# Altium PCB PCB1.PcbDoc (part 1 of 5) (continued)
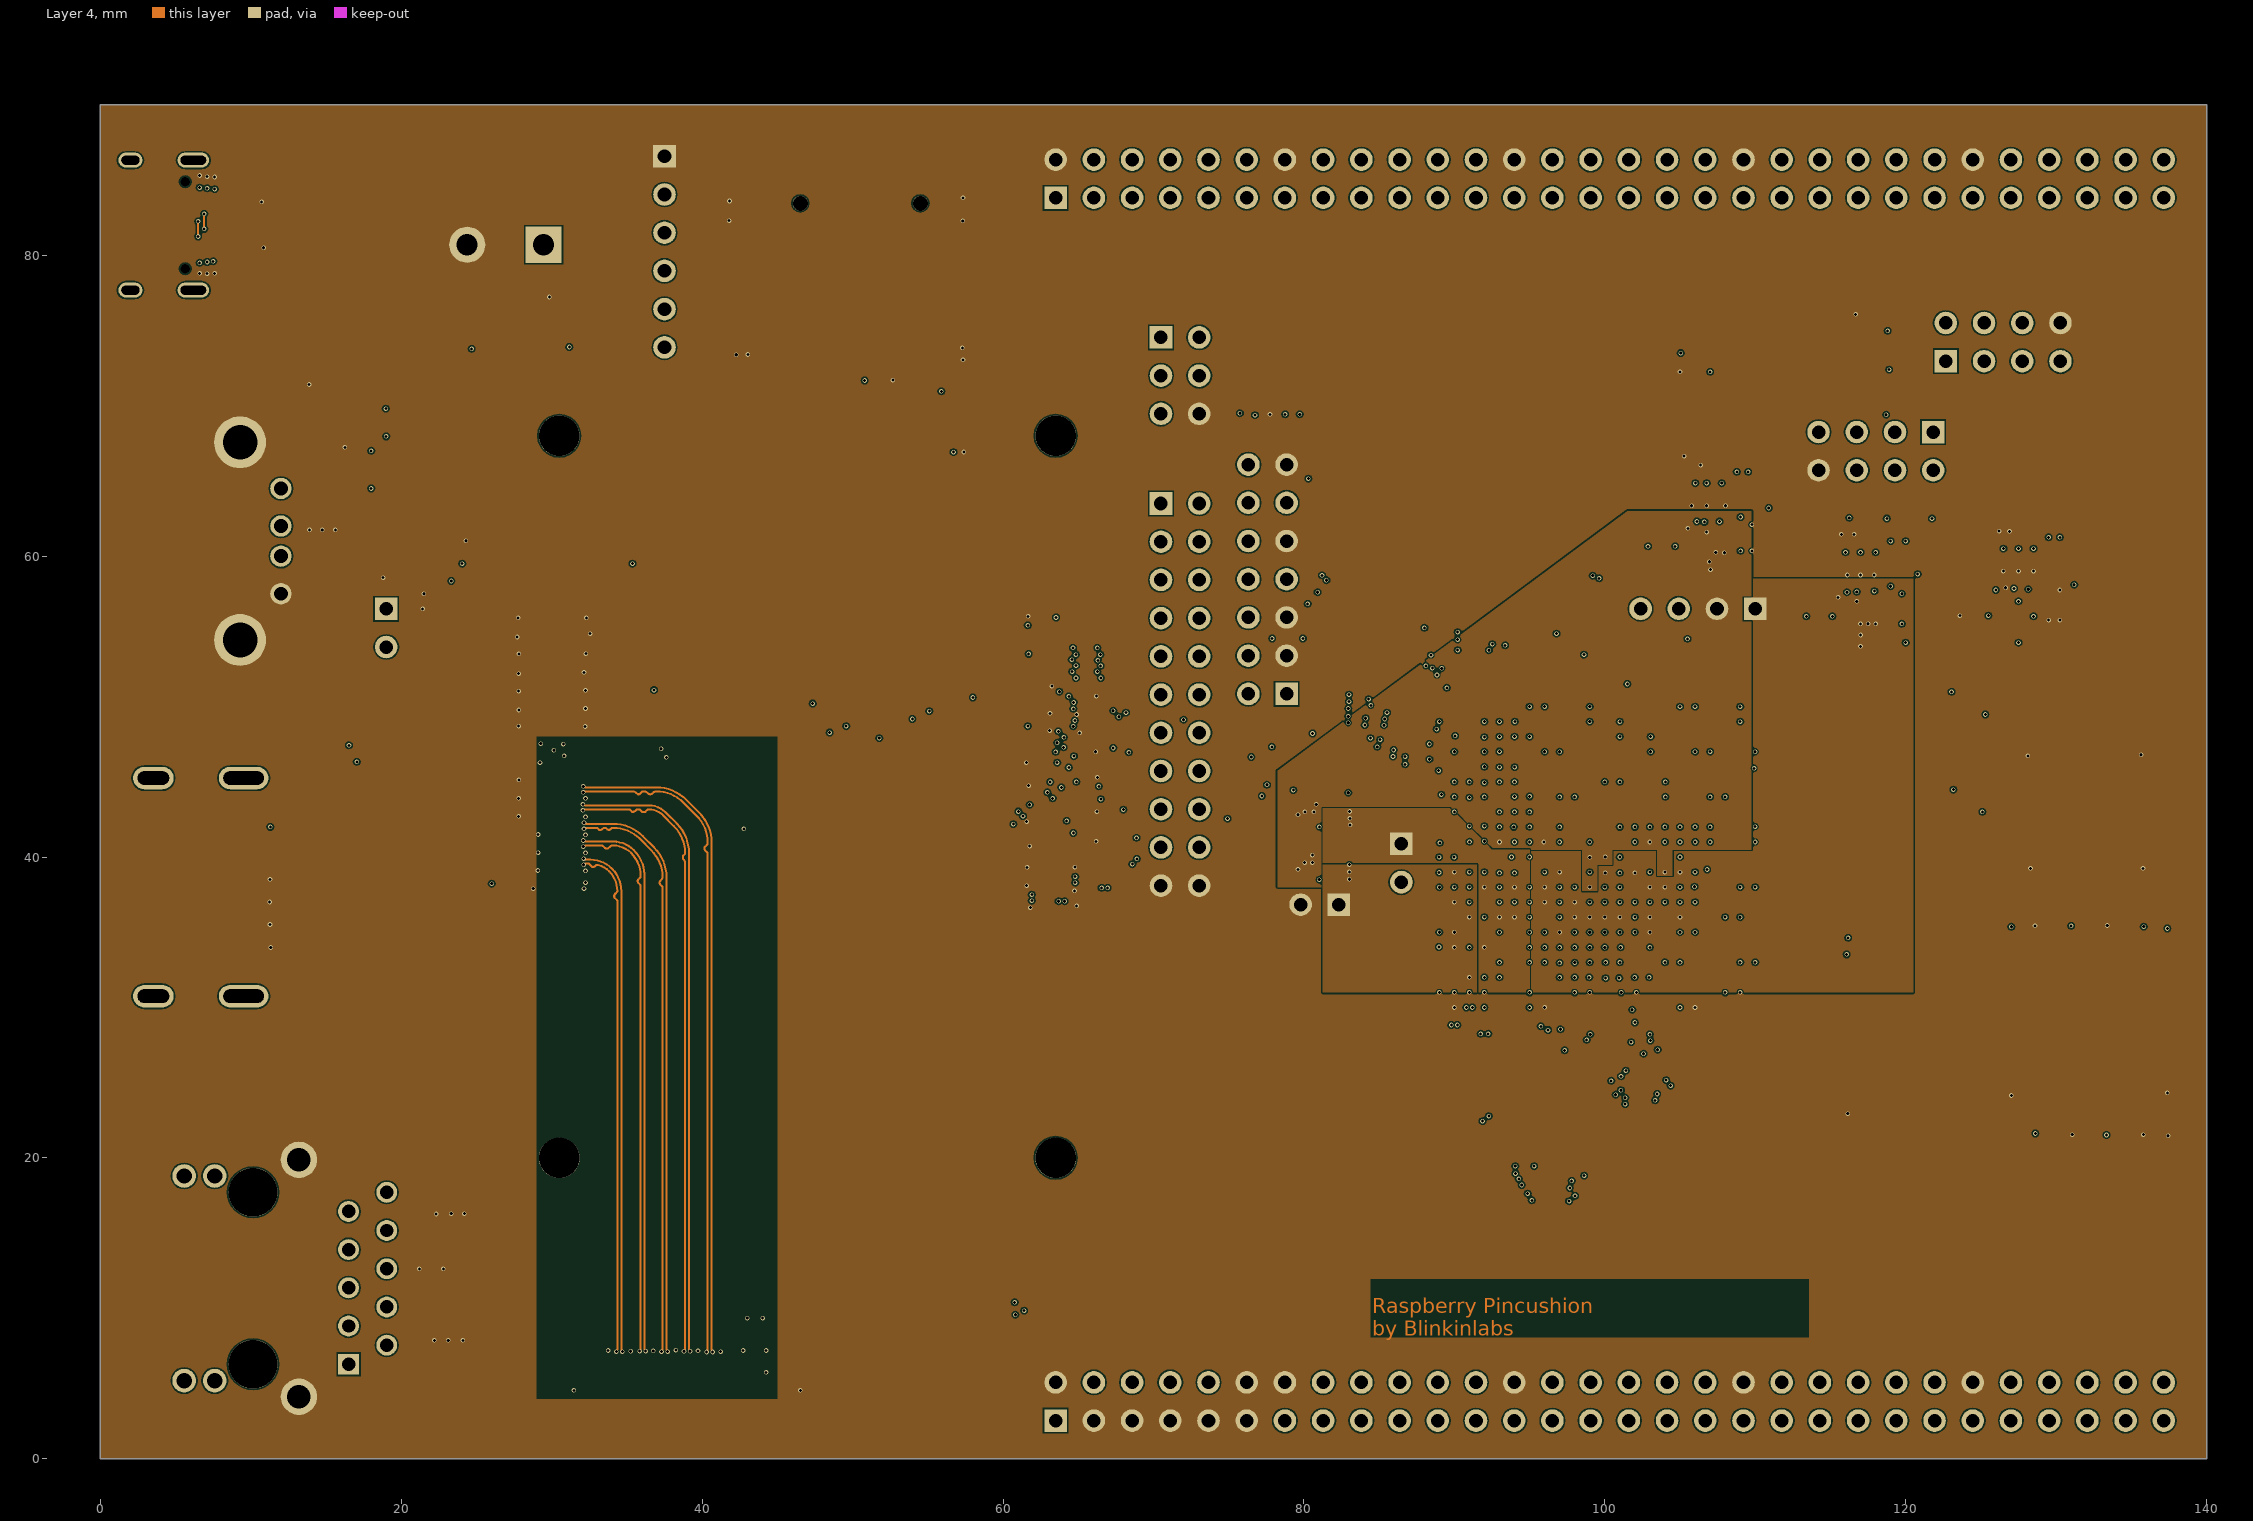
[diagram p4: Layer 4]
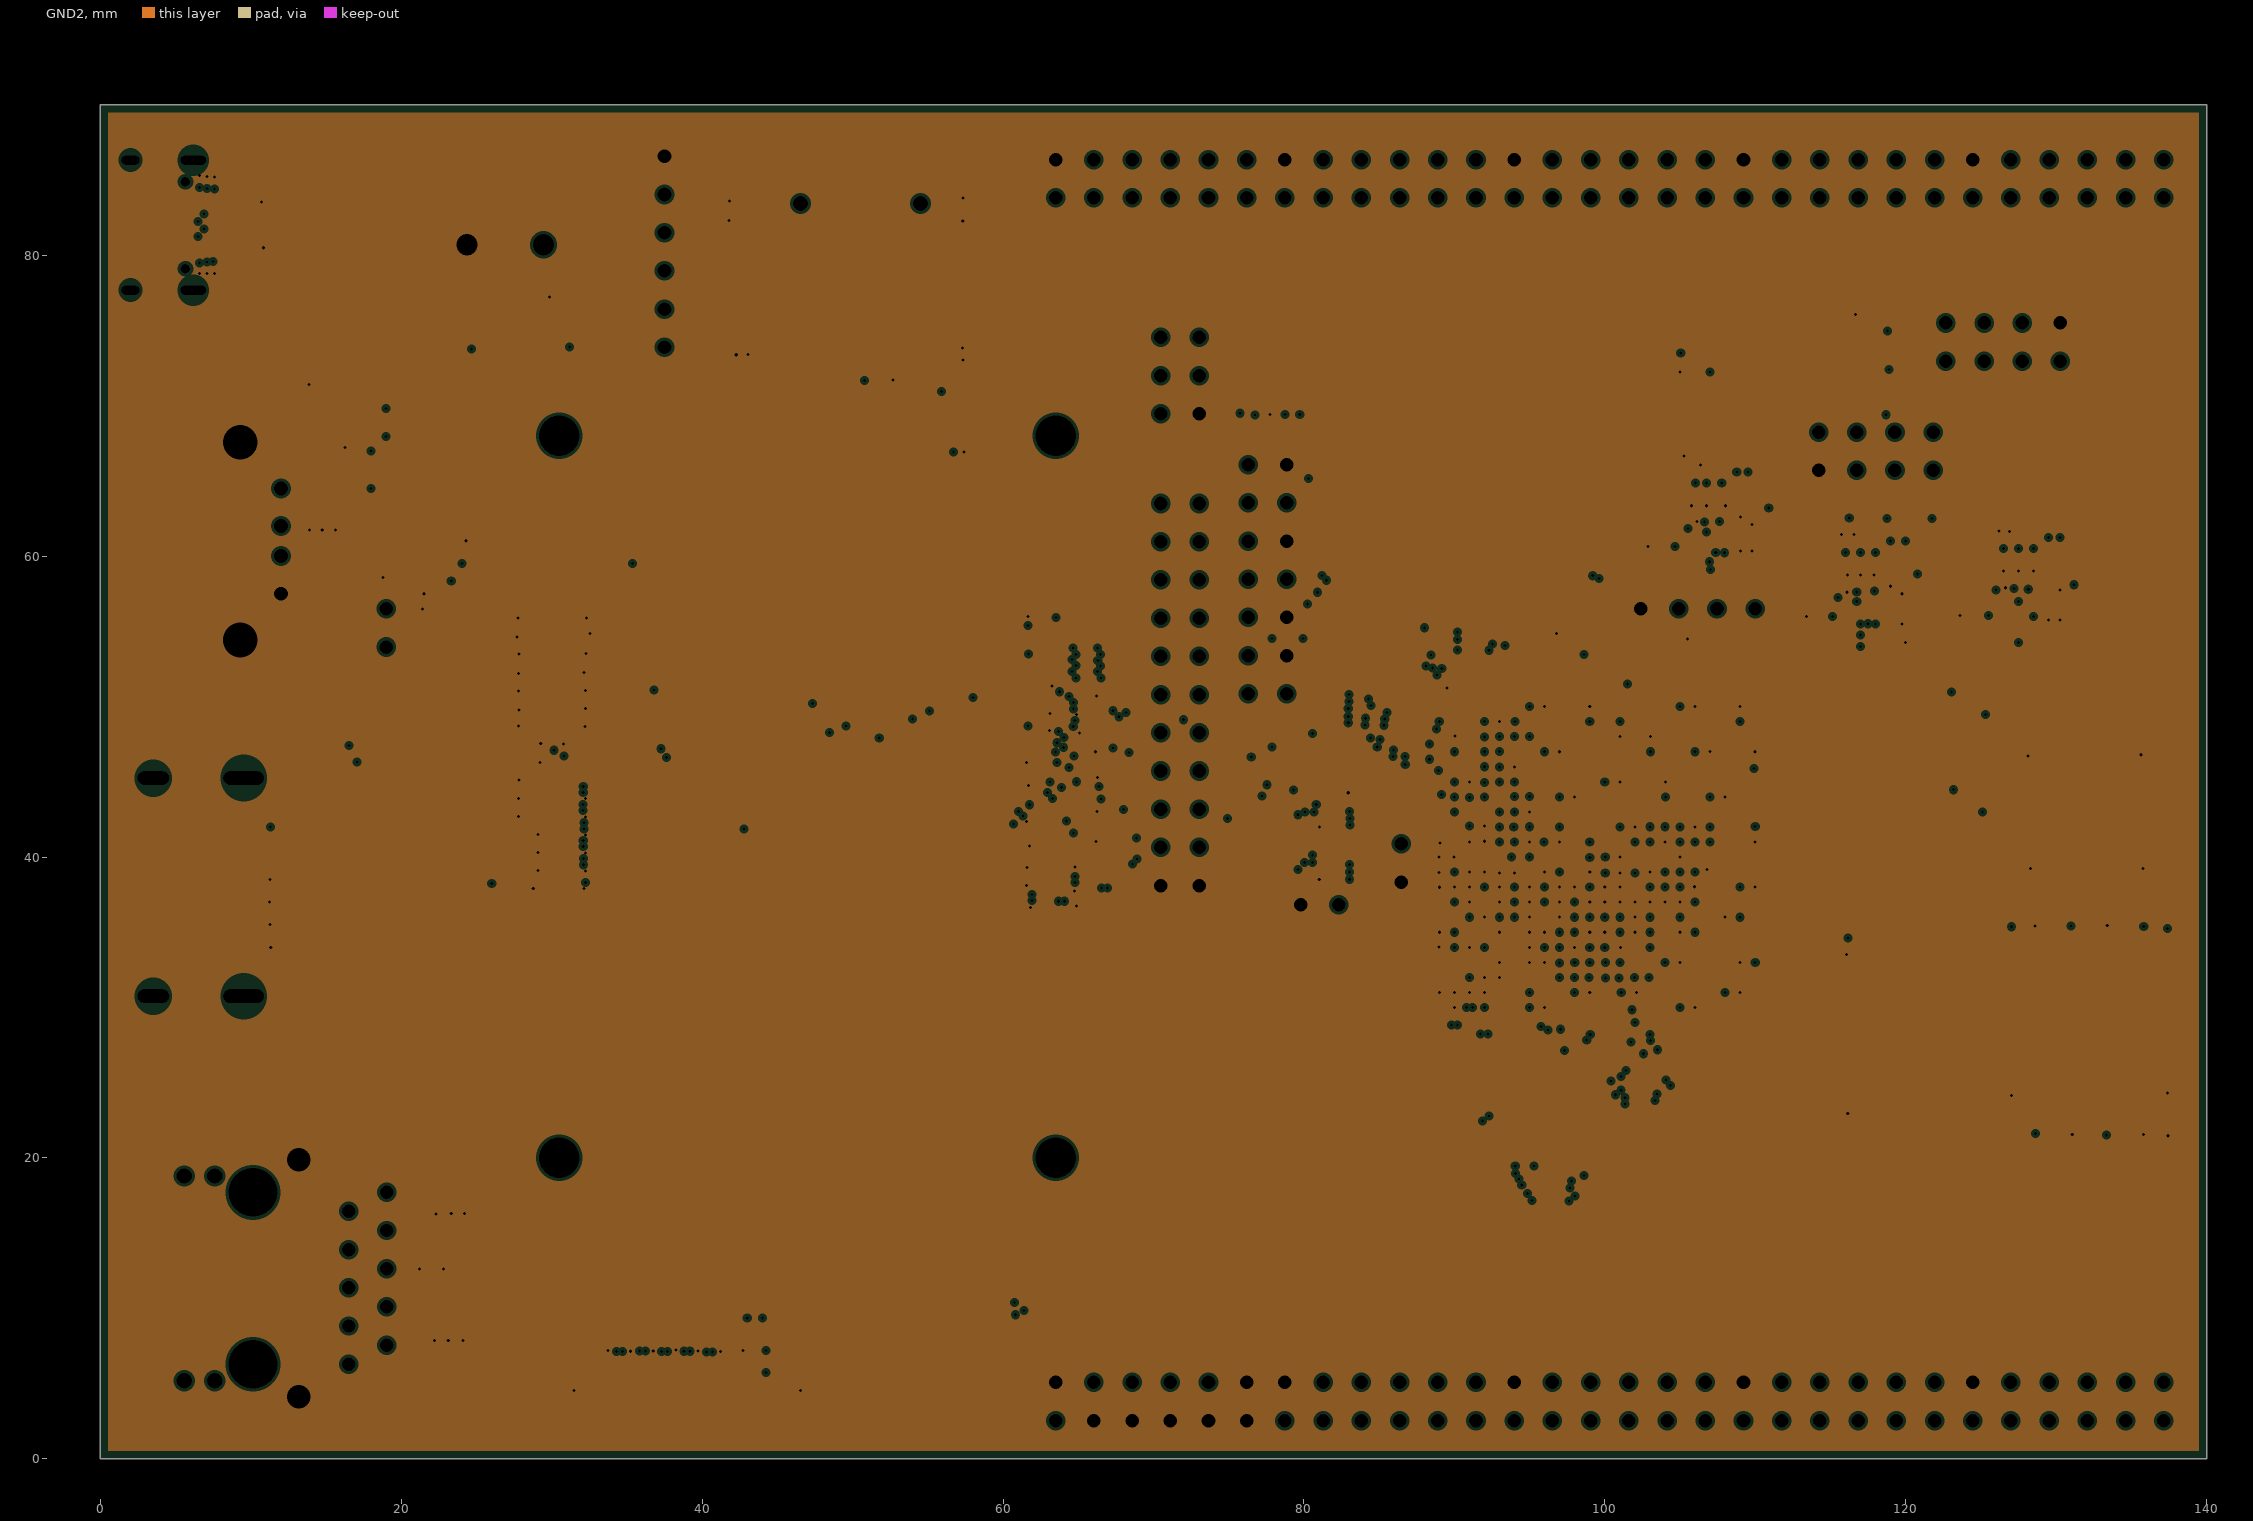
[diagram p5: GND2, clearances drawn from the general rule]

## Layer stack, top to bottom
Top Solder: solder mask 0.015, Solder Resist, Dk 3.9
Top Layer: signal copper 0.046
Dielectric 2: prepreg 0.111, PP-006, Dk 3.23
GND: plane copper 0.015, net GND
Dielectric 4: core 0.102, Core-009, Dk 3.66
Power: signal copper 0.015
Dielectric 6: prepreg 0.196, PP-006, Dk 3.61
Dielectric 1: core 0.533, Core-009, Dk 3.79
Dielectric 7: prepreg 0.196, PP-006, Dk 3.61
Layer 4: signal copper 0.015
Dielectric 5: core 0.102, Core-009, Dk 3.66
GND2: plane copper 0.015, net GND
Dielectric 3: prepreg 0.111, PP-006, Dk 3.23
Bottom Layer: signal copper 0.046
Bottom Solder: solder mask 0.015, Solder Resist, Dk 3.9

## Board outline
0,0 0,90 140,90 140,0

## Design rules (kind name [scope] priority, off if disabled: settings)
Clearance [All] p1: gap=0.099 ignorepadtopadclearanceinfootprint=FALSE
DiffPairsRouting DiffPairsRouting_bga_escape [WithinRoom('PCIE_escape')] p1: maxlimit=0.254 minlimit=0.1 mostfreqgap=0.254 toplayer_prefgap=0.1 toplayer_minwidth=0.1 toplayer_maxwidth=0.1 toplayer_prefwidth=0.1 midlayer2_mingap=0.254 midlayer2_minwidth=0.381 midlayer2_maxwidth=0.381 midlayer2_prefwidth=0.381 midlayer3_mingap=0.254 midlayer3_minwidth=0.381 midlayer3_maxwidth=0.381 midlayer3_prefwidth=0.381 bottomlayer_mingap=0.254 bottomlayer_minwidth=0.381 bottomlayer_maxwidth=0.381 bottomlayer_prefwidth=0.381 maxuncoupledlength=12.7
DiffPairsRouting DiffPairsRouting_USB [InDifferentialPairClass('DIFF_90Ohm_USB')] p2: maxlimit=0.127 minlimit=0.127 mostfreqgap=0.127 toplayer_minwidth=0.174 toplayer_maxwidth=0.175 toplayer_prefwidth=0.175 midlayer2_minwidth=0.134 midlayer2_maxwidth=0.135 midlayer2_prefwidth=0.135 midlayer3_minwidth=0.134 midlayer3_maxwidth=0.135 midlayer3_prefwidth=0.135 bottomlayer_minwidth=0.174 bottomlayer_maxwidth=0.175 bottomlayer_prefwidth=0.175 substack1={EED00A29-297B-473F-85CB-24765CE98B10} impedanceprofiledriven=TRUE impedanceprofileid={77B5EE73-9DFA-4AF1-97A7-85A4223C53DF} impedanceprofilevalue=90.000000 maxuncoupledlength=12.7
DiffPairsRouting DiffPairsRouting_PCIe [All] p3: maxlimit=0.127 minlimit=0.127 mostfreqgap=0.127 toplayer_minwidth=0.174 toplayer_maxwidth=0.175 toplayer_prefwidth=0.175 midlayer2_minwidth=0.134 midlayer2_maxwidth=0.135 midlayer2_prefwidth=0.135 midlayer3_minwidth=0.134 midlayer3_maxwidth=0.135 midlayer3_prefwidth=0.135 bottomlayer_minwidth=0.174 bottomlayer_maxwidth=0.175 bottomlayer_prefwidth=0.175 substack1={EED00A29-297B-473F-85CB-24765CE98B10} impedanceprofiledriven=TRUE impedanceprofileid={77B5EE73-9DFA-4AF1-97A7-85A4223C53DF} impedanceprofilevalue=90.000000 maxuncoupledlength=12.7
DiffPairsRouting DiffPairsRouting_GBE [InDifferentialPairClass('DIFF_100Ohm_GBE')] p4: maxlimit=0.127 minlimit=0.1 mostfreqgap=0.125 toplayer_maxgap=0.1 toplayer_prefgap=0.1 toplayer_minwidth=0.108 toplayer_maxwidth=0.108 toplayer_prefwidth=0.108 midlayer2_mingap=0.125 midlayer2_minwidth=0.103 midlayer2_maxwidth=0.103 midlayer2_prefwidth=0.103 midlayer3_mingap=0.125 midlayer3_minwidth=0.103 midlayer3_maxwidth=0.103 midlayer3_prefwidth=0.103 bottomlayer_maxgap=0.1 bottomlayer_prefgap=0.1 bottomlayer_minwidth=0.108 bottomlayer_maxwidth=0.108 bottomlayer_prefwidth=0.108 substack1={EED00A29-297B-473F-85CB-24765CE98B10} impedanceprofiledriven=TRUE impedanceprofileid={3214C4EA-282B-45FC-851B-5375168303A9} impedanceprofilevalue=100.000000 maxuncoupledlength=12.7
DiffPairsRouting DiffPairsRouting_HDMI [InDifferentialPairClass('DIFF_100Ohm_HDMI')] p5: maxlimit=0.127 minlimit=0.1 mostfreqgap=0.125 toplayer_maxgap=0.1 toplayer_prefgap=0.1 toplayer_minwidth=0.108 toplayer_maxwidth=0.108 toplayer_prefwidth=0.108 midlayer2_mingap=0.125 midlayer2_minwidth=0.103 midlayer2_maxwidth=0.103 midlayer2_prefwidth=0.103 midlayer3_mingap=0.125 midlayer3_minwidth=0.103 midlayer3_maxwidth=0.103 midlayer3_prefwidth=0.103 bottomlayer_maxgap=0.1 bottomlayer_prefgap=0.1 bottomlayer_minwidth=0.108 bottomlayer_maxwidth=0.108 bottomlayer_prefwidth=0.108 substack1={EED00A29-297B-473F-85CB-24765CE98B10} impedanceprofiledriven=TRUE impedanceprofileid={3214C4EA-282B-45FC-851B-5375168303A9} impedanceprofilevalue=100.000000 maxuncoupledlength=12.7
HoleSize [All] p1: absolutevalues=TRUE maxlimit=4 minlimit=0.025 maxpercent=80.000 minpercent=20.000
HoleToHoleClearance [All] p1: gap=0.2 allowstackedmicrovias=TRUE
MatchedLengths "Schematic Matched Net Lengths_5" [InNetClass('CAM')] p1: tolerance=0.15 checknetsindiffpair=TRUE checkdiffpairvsdiffpair=FALSE checkxsignals=FALSE checkothers=FALSE
MatchedLengths "Schematic Matched Net Lengths_3" [InNetClass('HDMI')] p2: tolerance=0.15 checknetsindiffpair=TRUE checkdiffpairvsdiffpair=FALSE checkxsignals=FALSE checkothers=FALSE
MatchedLengths "Schematic Matched Net Lengths_2" [InNetClass('USB_480MBps')] p3: tolerance=0.15 checknetsindiffpair=TRUE checkdiffpairvsdiffpair=FALSE checkxsignals=FALSE checkothers=FALSE
MatchedLengths "Schematic Matched Net Lengths_1" [InNetClass('PCIE')] p4: tolerance=0.1 checknetsindiffpair=TRUE checkdiffpairvsdiffpair=FALSE checkxsignals=FALSE checkothers=FALSE
MatchedLengths "Schematic Matched Net Lengths" [InNetClass('GBE_1Gbps')] p5: tolerance=0.15 checknetsindiffpair=TRUE checkdiffpairvsdiffpair=FALSE checkxsignals=FALSE checkothers=FALSE
PlaneClearance [All] p1: clearance=0.2
PlaneConnect [All] p1: pad.planeconnectstyle=Relief pad.reliefexpansion=0.508 pad.reliefentries=4 pad.reliefconductorwidth=0.254 pad.reliefairgap=0.254 via.planeconnectstyle=Direct via.reliefexpansion=0.508 via.reliefentries=4 via.reliefconductorwidth=0.254 via.reliefairgap=0.254
PolygonConnect "Schematic Polygon Connect Style_23" [InNet('NetC38_2')] p1: connectstyle=Direct reliefconductorwidth=0.254 reliefentries=4 polygonreliefangle="45 Angle" airgapwidth=0.254
PolygonConnect "Schematic Polygon Connect Style_22" [InNet('MTGAVTT')] p2: connectstyle=Direct reliefconductorwidth=0.254 reliefentries=4 polygonreliefangle="45 Angle" airgapwidth=0.254
PolygonConnect "Schematic Polygon Connect Style_21" [InNet('MTGAVCC')] p3: connectstyle=Direct reliefconductorwidth=0.254 reliefentries=4 polygonreliefangle="45 Angle" airgapwidth=0.254
PolygonConnect "Schematic Polygon Connect Style_20" [InNet('NetC23_2')] p4: connectstyle=Direct reliefconductorwidth=0.254 reliefentries=4 polygonreliefangle="45 Angle" airgapwidth=0.254
PolygonConnect "Schematic Polygon Connect Style_19" [InNet('1.8V_EN')] p5: connectstyle=Direct reliefconductorwidth=0.254 reliefentries=4 polygonreliefangle="45 Angle" airgapwidth=0.254
PolygonConnect "Schematic Polygon Connect Style_18" [InNet('3.3V_EN')] p6: connectstyle=Direct reliefconductorwidth=0.254 reliefentries=4 polygonreliefangle="45 Angle" airgapwidth=0.254
PolygonConnect "Schematic Polygon Connect Style_17" [InNet('1.8V_GOOD')] p7: connectstyle=Direct reliefconductorwidth=0.254 reliefentries=4 polygonreliefangle="45 Angle" airgapwidth=0.254
PolygonConnect "Schematic Polygon Connect Style_16" [InNet('NetR17_1')] p8: connectstyle=Direct reliefconductorwidth=0.254 reliefentries=4 polygonreliefangle="45 Angle" airgapwidth=0.254
PolygonConnect "Schematic Polygon Connect Style_15" [InNet('NetR12_1')] p9: connectstyle=Direct reliefconductorwidth=0.254 reliefentries=4 polygonreliefangle="45 Angle" airgapwidth=0.254
PolygonConnect "Schematic Polygon Connect Style_14" [InNet('NetC55_1')] p10: connectstyle=Direct reliefconductorwidth=0.254 reliefentries=4 polygonreliefangle="45 Angle" airgapwidth=0.254
PolygonConnect "Schematic Polygon Connect Style_13" [InNet('NetC52_1')] p11: connectstyle=Direct reliefconductorwidth=0.254 reliefentries=4 polygonreliefangle="45 Angle" airgapwidth=0.254
PolygonConnect "Schematic Polygon Connect Style_12" [InNet('NetC49_1')] p12: connectstyle=Direct reliefconductorwidth=0.254 reliefentries=4 polygonreliefangle="45 Angle" airgapwidth=0.254
PolygonConnect "Schematic Polygon Connect Style_11" [InNet('NetL3_1')] p13: connectstyle=Direct reliefconductorwidth=0.254 reliefentries=4 polygonreliefangle="45 Angle" airgapwidth=0.254
PolygonConnect "Schematic Polygon Connect Style_10" [InNet('NetL2_1')] p14: connectstyle=Direct reliefconductorwidth=0.254 reliefentries=4 polygonreliefangle="45 Angle" airgapwidth=0.254
PolygonConnect "Schematic Polygon Connect Style_9" [InNet('+1')] p15: connectstyle=Direct reliefconductorwidth=0.254 reliefentries=4 polygonreliefangle="45 Angle" airgapwidth=0.254
PolygonConnect "Schematic Polygon Connect Style_8" [InNet('+5')] p16: connectstyle=Direct reliefconductorwidth=0.254 reliefentries=4 polygonreliefangle="45 Angle" airgapwidth=0.254
PolygonConnect "Schematic Polygon Connect Style_7" [InNet('GND')] p17: connectstyle=Direct reliefconductorwidth=0.254 reliefentries=4 polygonreliefangle="45 Angle" airgapwidth=0.254
PolygonConnect "Schematic Polygon Connect Style_6" [InNet('+1.8')] p18: connectstyle=Direct reliefconductorwidth=0.254 reliefentries=4 polygonreliefangle="45 Angle" airgapwidth=0.254
PolygonConnect "Schematic Polygon Connect Style_5" [InNet('+3.3')] p19: connectstyle=Direct reliefconductorwidth=0.254 reliefentries=4 polygonreliefangle="45 Angle" airgapwidth=0.254
PolygonConnect "Schematic Polygon Connect Style_4" [InNet('3.3V_GOOD')] p20: connectstyle=Direct reliefconductorwidth=0.254 reliefentries=4 polygonreliefangle="45 Angle" airgapwidth=0.254
PolygonConnect "Schematic Polygon Connect Style_3" [InNet('1V_EN')] p21: connectstyle=Direct reliefconductorwidth=0.254 reliefentries=4 polygonreliefangle="45 Angle" airgapwidth=0.254
PolygonConnect "Schematic Polygon Connect Style_2" [InNet('1V_GOOD')] p22: connectstyle=Direct reliefconductorwidth=0.254 reliefentries=4 polygonreliefangle="45 Angle" airgapwidth=0.254
PolygonConnect "Schematic Polygon Connect Style_1" [InNet('NetL4_1')] p23: connectstyle=Direct reliefconductorwidth=0.254 reliefentries=4 polygonreliefangle="45 Angle" airgapwidth=0.254
PolygonConnect "Schematic Polygon Connect Style" [InNet('NetR7_1')] p24: connectstyle=Direct reliefconductorwidth=0.254 reliefentries=4 polygonreliefangle="45 Angle" airgapwidth=0.254
PolygonConnect PolygonConnect_PI_SUPPLY [IsPolygon and ( InNet('PI_+1.8') or InNet('PI_+3.3') )] p25: connectstyle=Direct reliefconductorwidth=0.254 reliefentries=4 polygonreliefangle="90 Angle" airgapwidth=0.254
PolygonConnect [All] p26: thpad.connectstyle=Relief thpad.reliefconductorwidth=0.254 thpad.reliefentries=4 thpad.polygonreliefangle="90 Angle" thpad.airgapwidth=0.254 smdpad.connectstyle=Relief smdpad.reliefconductorwidth=0.254 smdpad.reliefentries=4 smdpad.polygonreliefangle="90 Angle" smdpad.airgapwidth=0.254 via.connectstyle=Direct via.reliefconductorwidth=0.254 via.reliefentries=4 via.polygonreliefangle="90 Angle" via.airgapwidth=0.254
RoomDefinition PCIE_escape [False] p1: confinementstyle=ConfineIn formatcopy=TRUE lockcomponents=FALSE outline 92,35.25 95,35.25 95,28.663 92,28.663
RoutingVias [All] p1: holewidth=0.203 width=0.305 viastyle="Through Hole" minholewidth=0.203 minwidth=0.305 maxholewidth=0.3 maxwidth=1.27
SolderMaskExpansion SolderMaskExpansion_via [isvia] p1: expansion=-99 istentingtop=FALSE
SolderMaskExpansion [All] p2: expansion=0.102 istentingtop=FALSE
Width [All] p1: maxlimit=0.254 minlimit=0.1 preferedwidth=0.1
25 further rules are at their usual default settings.

## Classes and differential pairs
differential pair class DIFF_90Ohm_PCIE: PCIe_CLK PCIe_RX PCIe_RX_C PCIe_TX
component class "FPGA sdram": C87 C88 C89 C90 C91 U15
differential pair class DIFF_CAM: CAM1_C CAM1_D0 CAM1_D1 CAM1_D2 CAM1_D3
net class CAM: CAM1_C_N CAM1_C_P CAM1_D0_N CAM1_D0_P CAM1_D1_N CAM1_D1_P CAM1_D2_N CAM1_D2_P CAM1_D3_N CAM1_D3_P
component class "compute module HDMI out": J2 J8 R34 R35
differential pair class DIFF_ANALOG: AD4 AD12
net class ANALOG: AD4_N AD4_P AD12_N AD12_P
component class "compute module power": P6
component class "FPGA power supply": C23 C31 C38 C45 C47 C48 C49 C50 C51 C52 C53 C54 C55 C57 C58 C59 C61 C62 J7 L2 L3 L4 P5 P8 P9 P10 R7 R8 R12 R13 R17 R18 R19 R20 R21 R22 R23 R24 R25 R26 R27 U1 U5 U7 U12 U13
component class "FPGA power": C10 C11 C12 C13 C14 C15 C16 C17 C18 C19 C20 C21 C22 C24 C25 C26 C27 C28 C29 C30 C32 C33 C34 C35 C36 C37 C39 C40 C41 C42 C43 C44 C64 C65 C66 C67 C68 C69 C70 C71 C72 C73 C74 C75 C76 C77 C78 C79 C80 C81
net class JTAG: FPGA_DONE FPGA_INIT FPGA_M2 FPGA_PROGRAM_B FPGA_TCK FPGA_TDI FPGA_TDO FPGA_TMS
component class "FPGA PCIe": C2 C3 C4 C5 C6 C7 C8 C84 R11
component class "FPGA programming": C82 P7 P11 R14 R15 R16 R28 R29 R30 R31 R32 R33 U14
differential pair class DIFF_PCIE: PCIe_CLK PCIe_CLK_C PCIe_RX PCIe_RX_C PCIe_TX T_USBC_RX1 T_USBC_RX2 T_USBC_TX1 T_USBC_TX2
net class PCIE: PCIe_CLK_N PCIe_CLK_P PCIe_RX_C_N PCIe_RX_C_P PCIe_RX_N PCIe_RX_P PCIe_TX_N PCIe_TX_P
component class "compute module microsd": C46 C56 J4 U6
differential pair class DIFF_USB_HS: "compute module USB" USB USBD USBH
differential pair class DIFF_100Ohm_HDMI: AD4 AD12 C2P_CLK CAM1_C CAM1_D0 CAM1_D1 CAM1_D2 CAM1_D3 HDMI0_CLK HDMI0_TX0 HDMI0_TX1 HDMI0_TX2 HDMI2_CLK HDMI2_TX0 HDMI2_TX1 HDMI2_TX2 P2C_CLK S_D0 S_D1 S_D2 S_D3 S_D4 S_D5 S_D6 S_D7
differential pair class DIFF_90Ohm_USB: "compute module USB" USB USBD USBH
net class USB_480MBps: USB_N USB_P USBD_N USBD_P USBH_N USBH_P
component class "compute module": CM4 D1 D2 J6 P3 R9 R10 U3
differential pair class DIFF_HDMI: HDMI0_CLK HDMI0_TX0 HDMI0_TX1 HDMI0_TX2 HDMI1_CLK HDMI1_TX0 HDMI1_TX1 HDMI1_TX2 HDMI2_CLK HDMI2_TX0 HDMI2_TX1 HDMI2_TX2
net class HDMI: HDMI0_CLK_N HDMI0_CLK_P HDMI0_TX0_N HDMI0_TX0_P HDMI0_TX1_N HDMI0_TX1_P HDMI0_TX2_N HDMI0_TX2_P
component class "compute module Ethernet": C1 J5 R3 R4 U8 U9
differential pair class DIFF_LAN_GB: TRD0 TRD1 TRD2 TRD3 TRD4
differential pair class DIFF_100Ohm_GBE: TRD0 TRD1 TRD2 TRD3 TRD4
net class GBE_1Gbps: TRD1_N TRD1_P TRD2_N TRD2_P TRD3_N TRD3_P TRD4_N TRD4_P
component class "compute module USB": C60 C63 C83 C85 C86 J1 J3 P1 R1 R2 R5 R6 U2 U10 U11
component class "FPGA GPIO": C9 D3 D4 L1 P2 P4 R36 R37 R38 R39 SW1 SW2 U4 X1
differential pair CAM1_D3: +CAM1_D3_P -CAM1_D3_N
differential pair CAM1_D2: +CAM1_D2_P -CAM1_D2_N
differential pair CAM1_D1: +CAM1_D1_P -CAM1_D1_N
differential pair CAM1_D0: +CAM1_D0_P -CAM1_D0_N
differential pair CAM1_C: +CAM1_C_P -CAM1_C_N
differential pair AD12: +AD12_P -AD12_N
differential pair AD4: +AD4_P -AD4_N
differential pair PCIe_RX_C: +PCIe_RX_C_P -PCIe_RX_C_N
differential pair PCIe_CLK: +PCIe_CLK_P -PCIe_CLK_N
differential pair PCIe_TX: +PCIe_TX_P -PCIe_TX_N
differential pair PCIe_RX: +PCIe_RX_P -PCIe_RX_N
differential pair USB: +USB_P -USB_N
differential pair USBH: +USBH_P -USBH_N
differential pair USBD: +USBD_P -USBD_N
differential pair HDMI0_TX2: +HDMI0_TX2_P -HDMI0_TX2_N
differential pair HDMI0_TX1: +HDMI0_TX1_P -HDMI0_TX1_N
differential pair HDMI0_TX0: +HDMI0_TX0_P -HDMI0_TX0_N
differential pair HDMI0_CLK: +HDMI0_CLK_P -HDMI0_CLK_N
differential pair TRD4: +TRD4_P -TRD4_N
differential pair TRD3: +TRD3_P -TRD3_N
differential pair TRD2: +TRD2_P -TRD2_N
differential pair TRD1: +TRD1_P -TRD1_N
